# Altium PCB braking_io.PcbDoc (part 1 of 4)
Units mil, origin at the board's own origin, x right, y up, seen from the top; angles counter-clockwise.
Board outline 6000 x 3840 mil, 4 copper layers (Top Layer, GND, PWR, Bottom Layer), stack 61.7 mil thick; 450 components, 207 nets, 1137 pads, 398 vias.
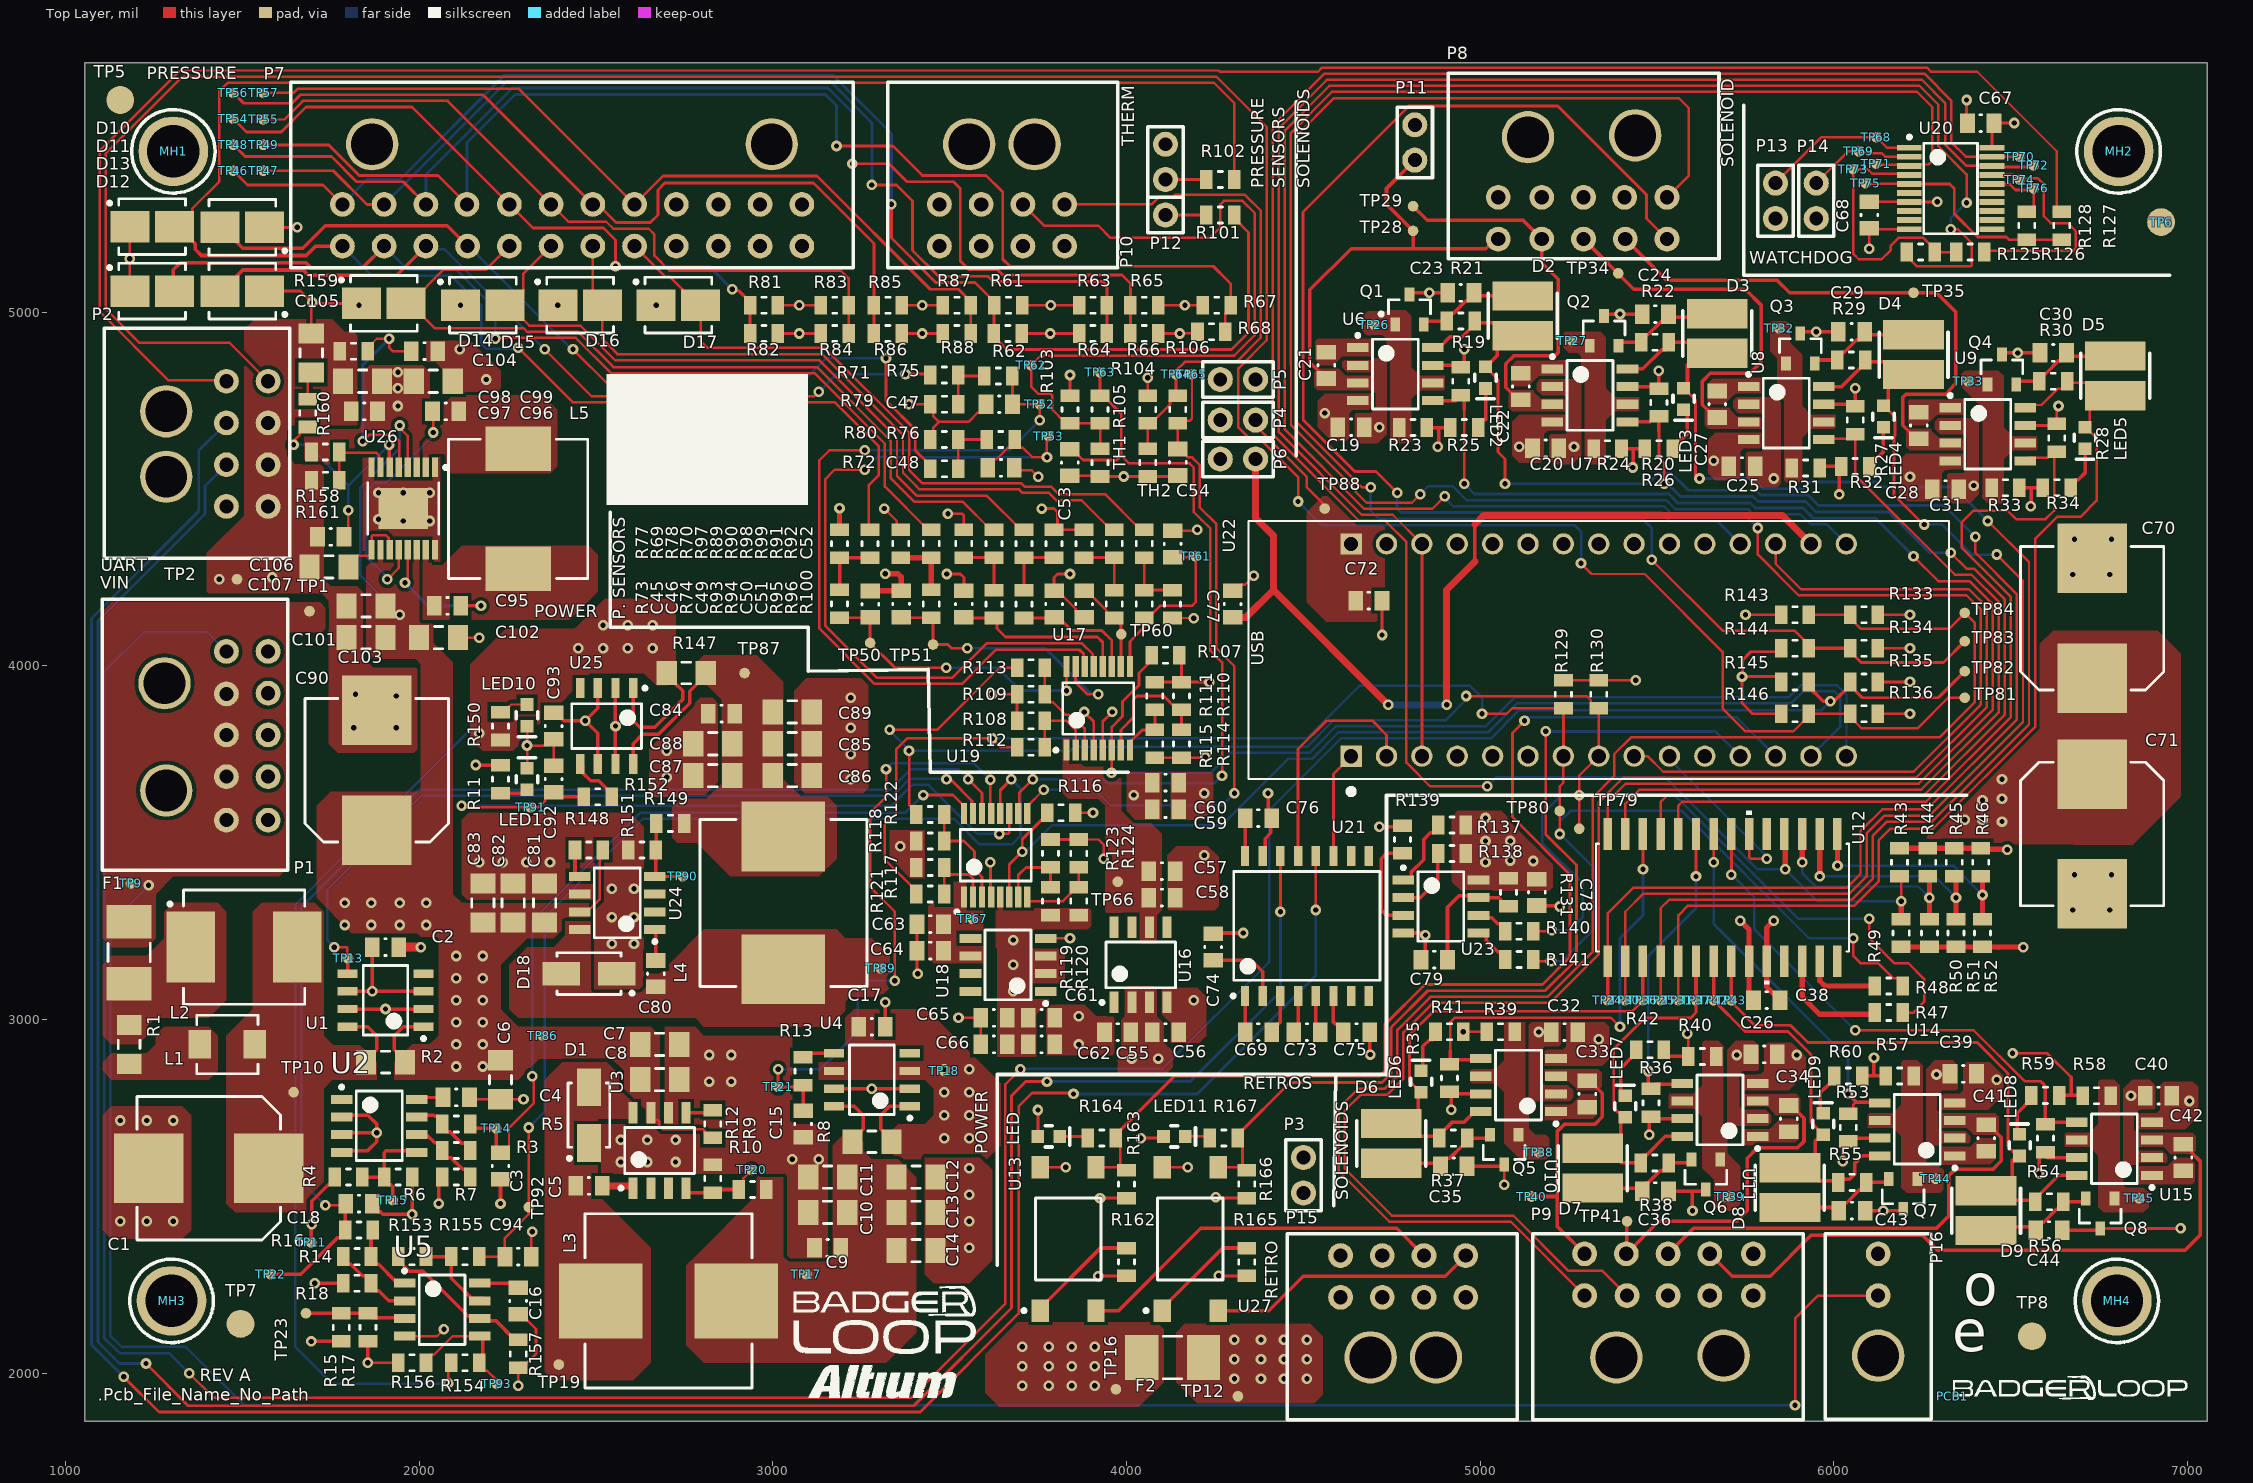
[diagram p0: Top Layer view]
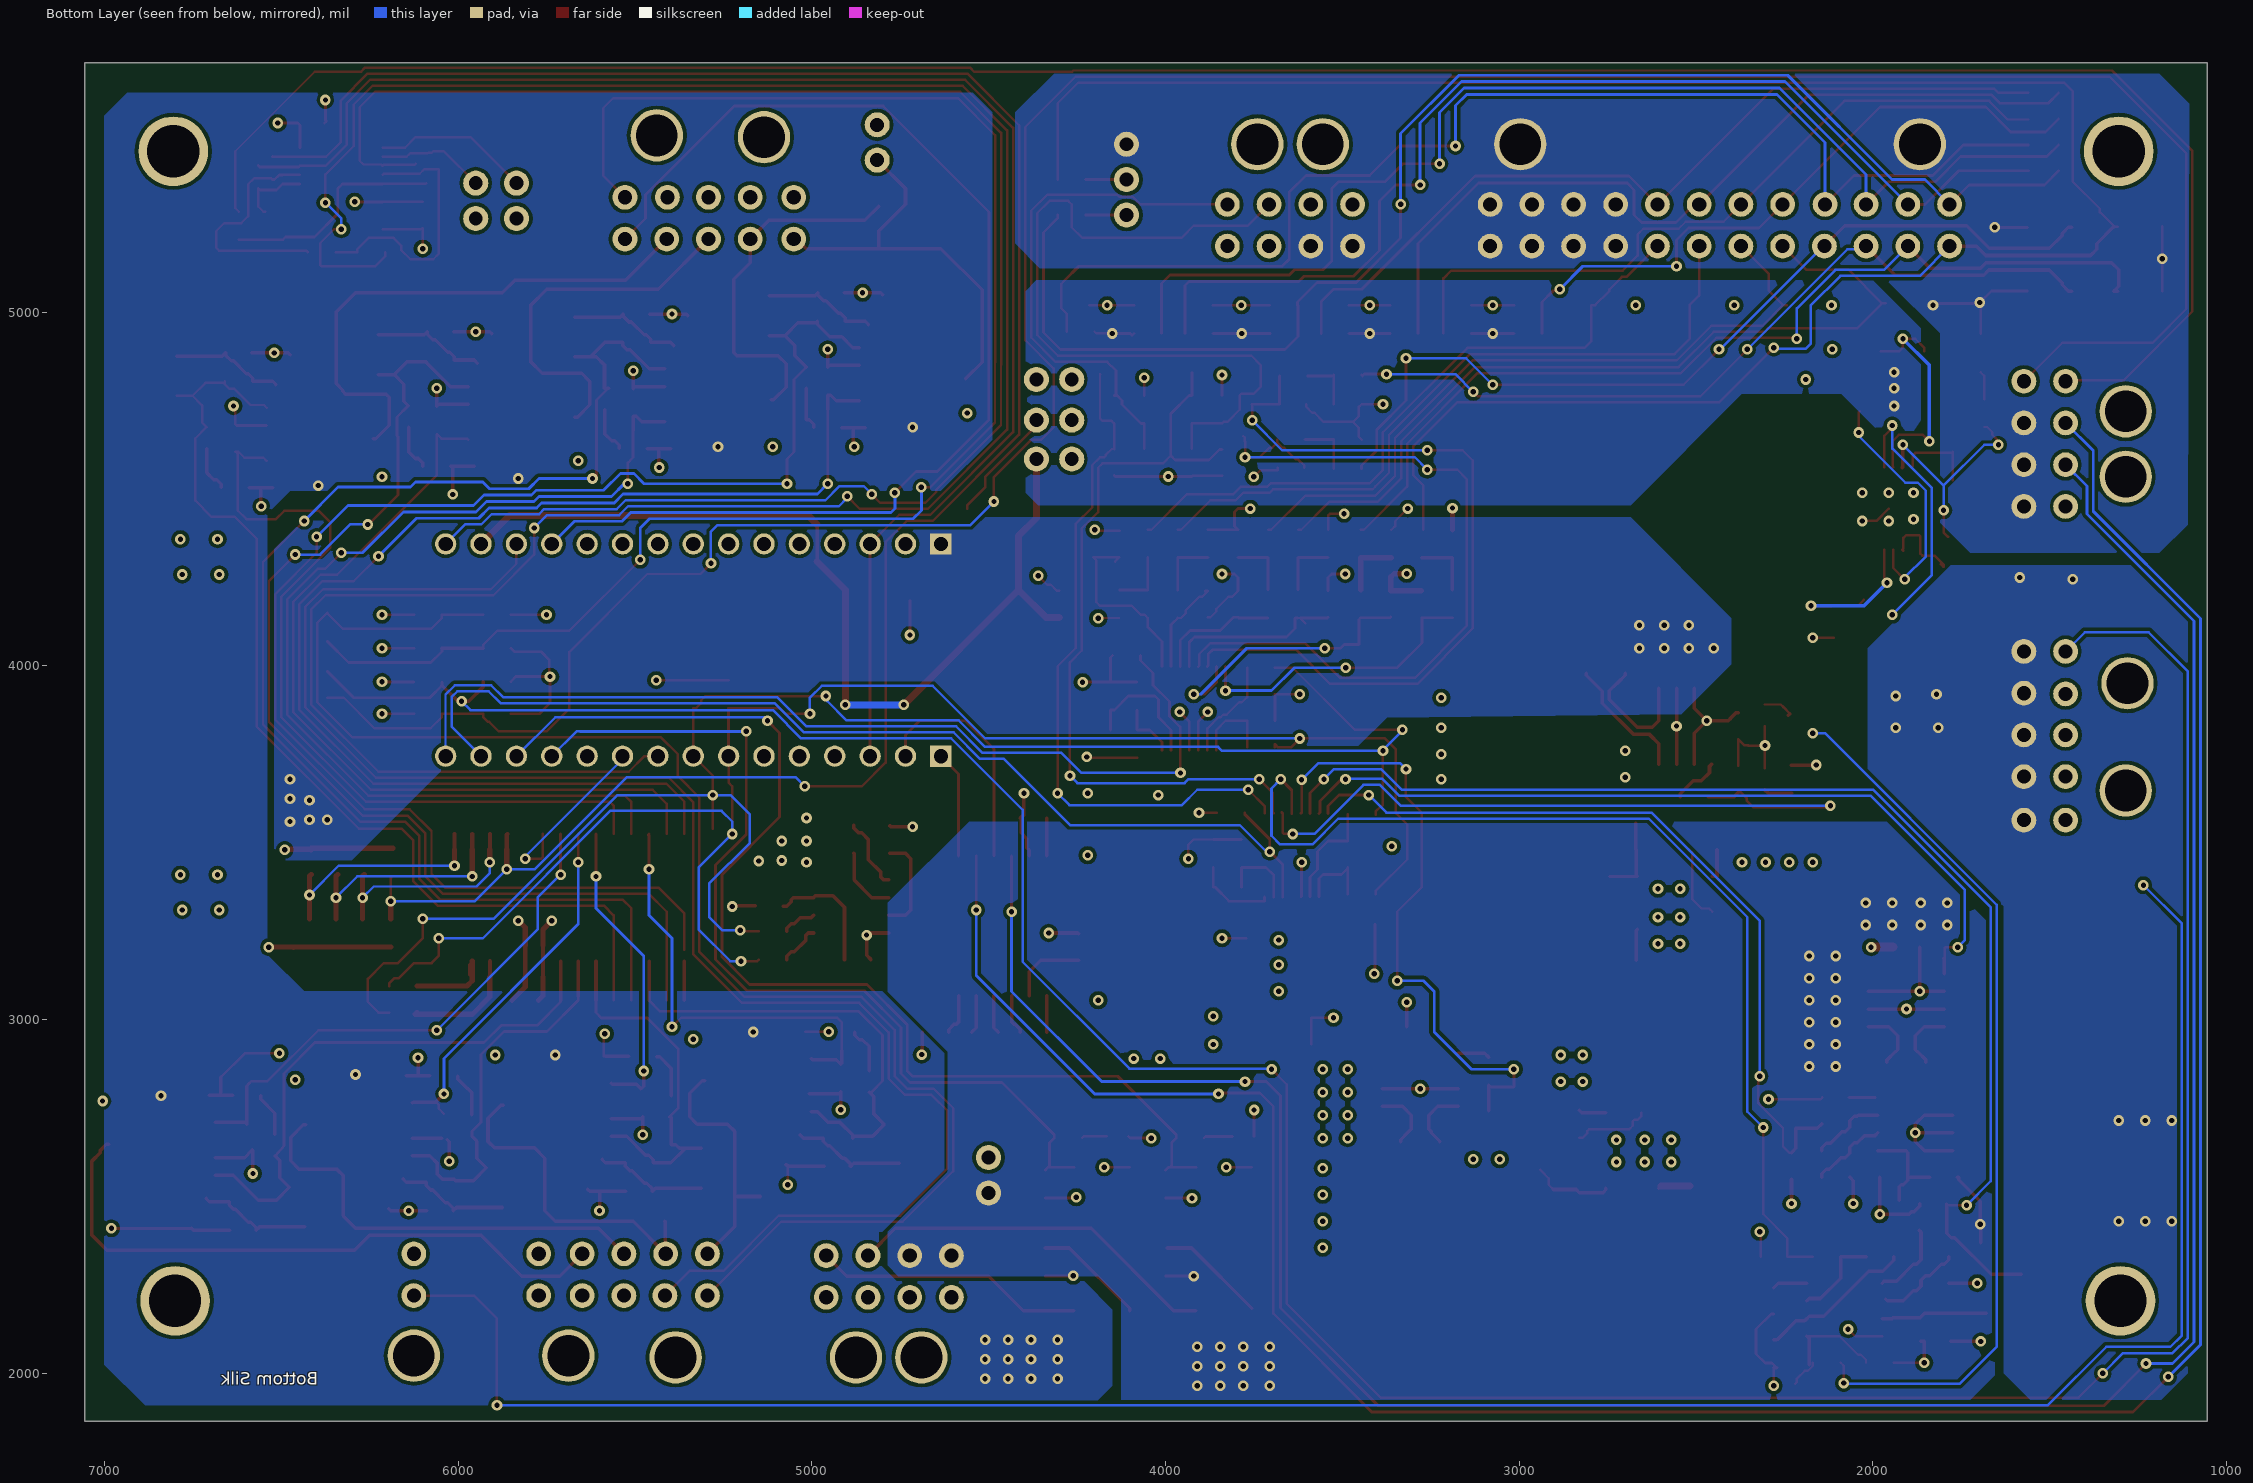
[diagram p1: Bottom Layer view, seen from below]
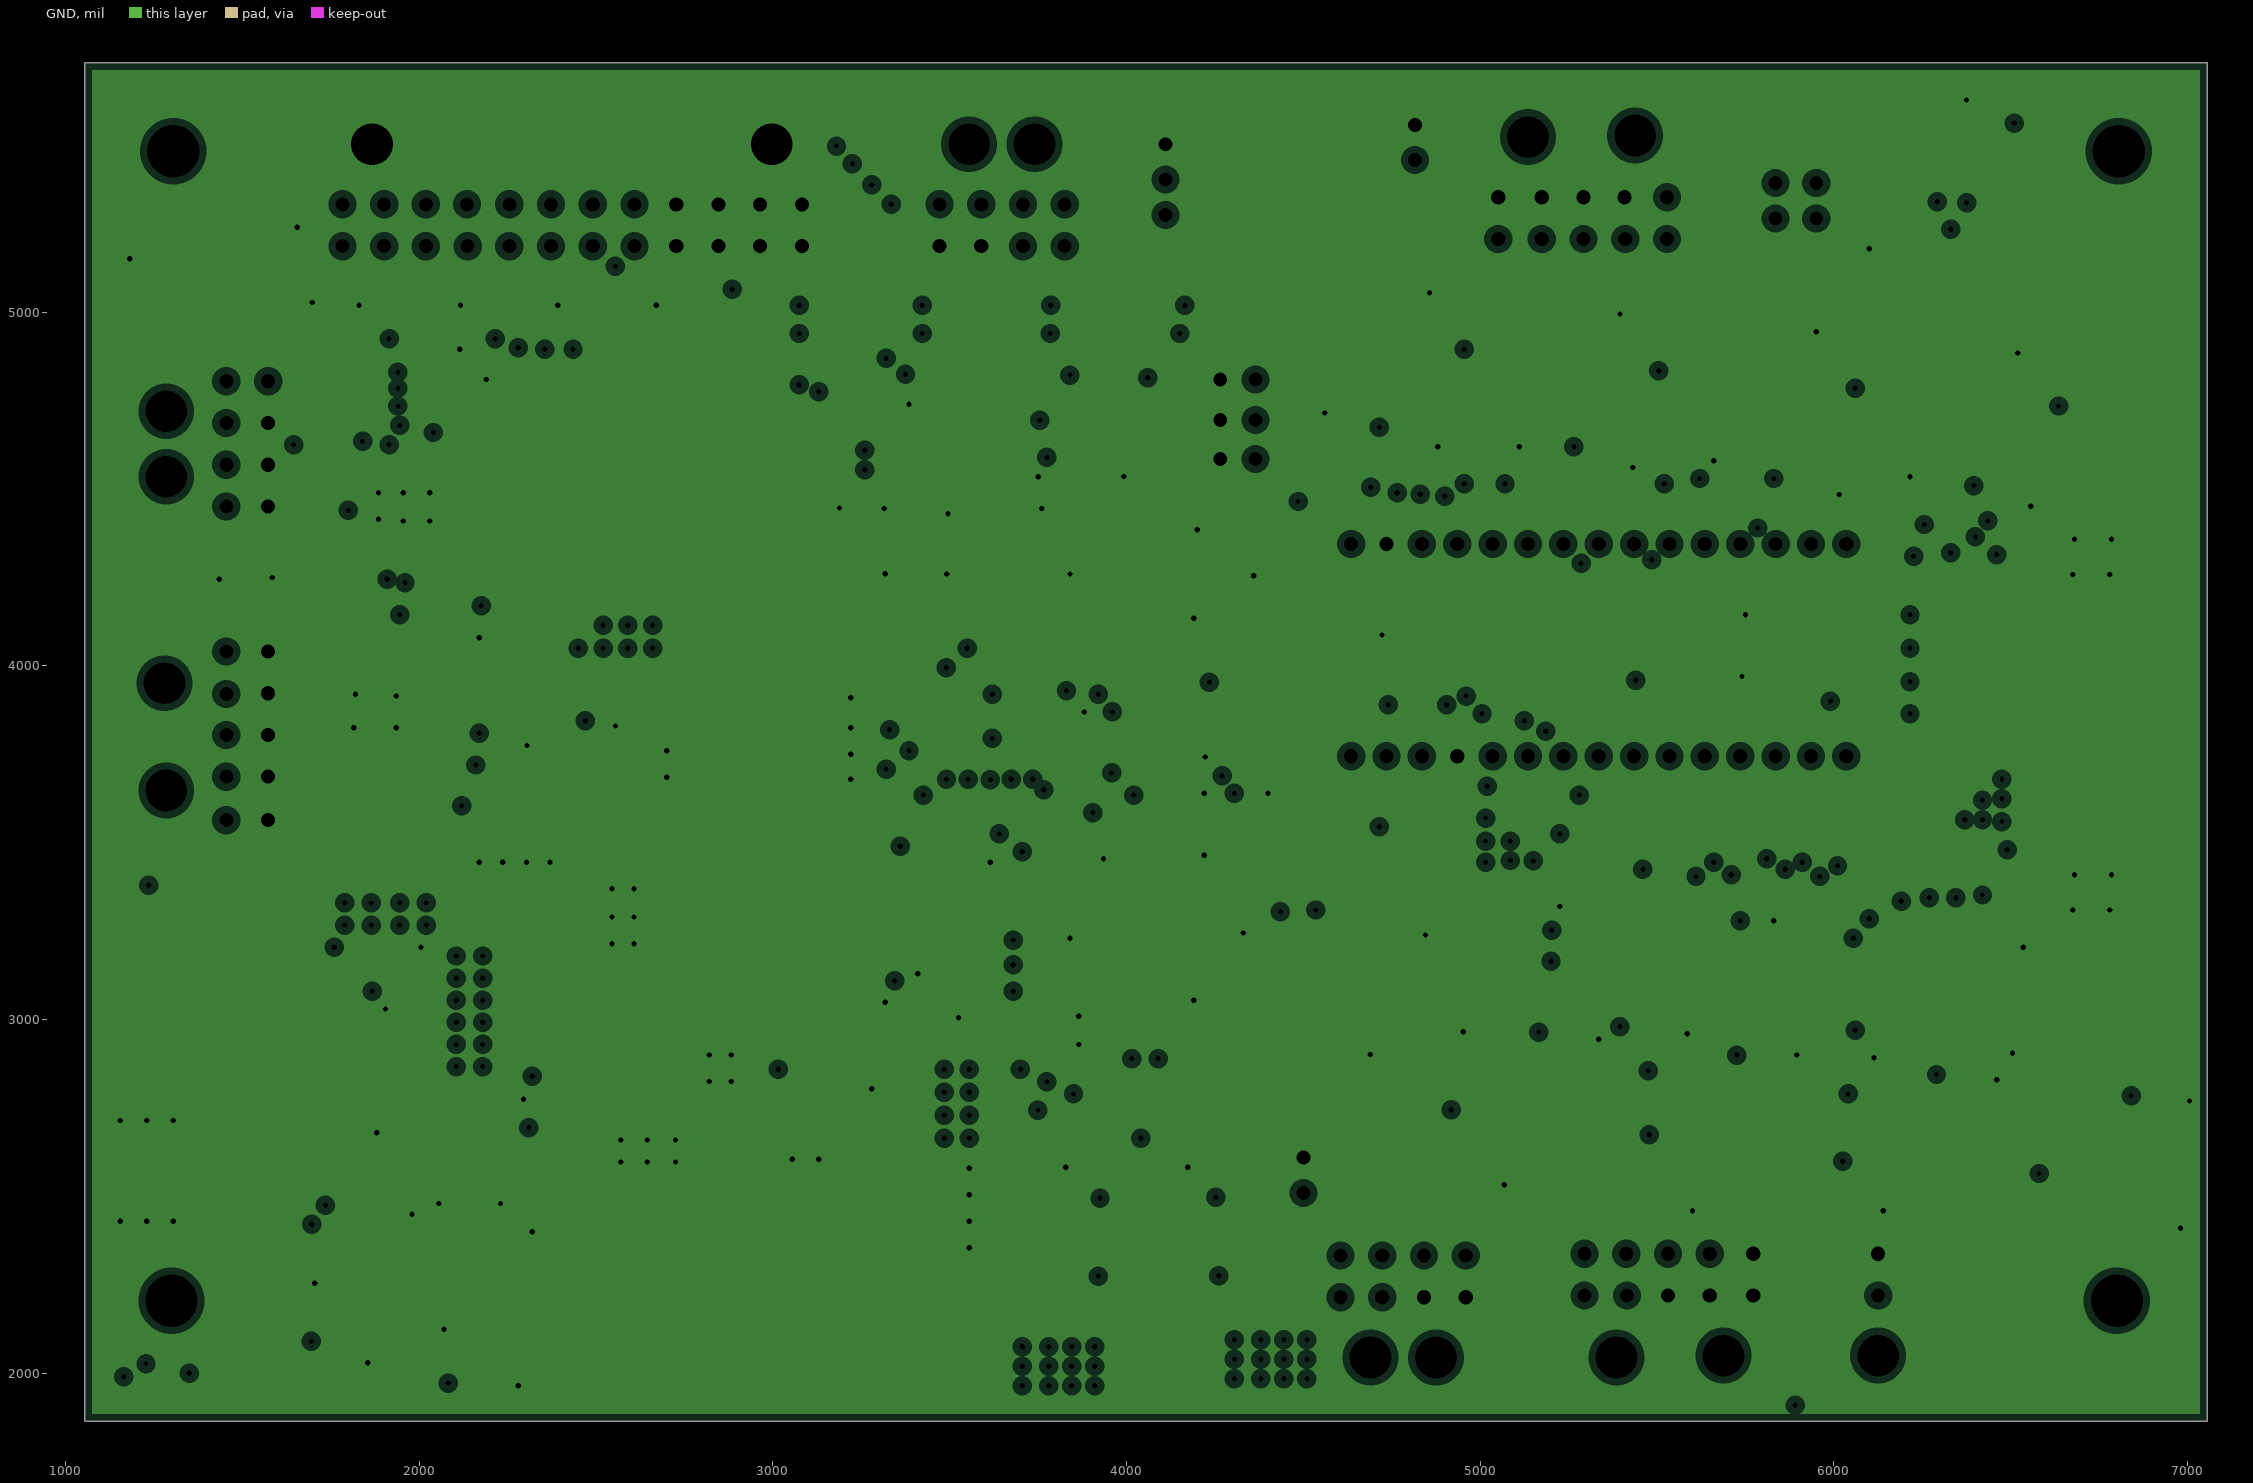
[diagram p2: GND, clearances drawn from the general rule]
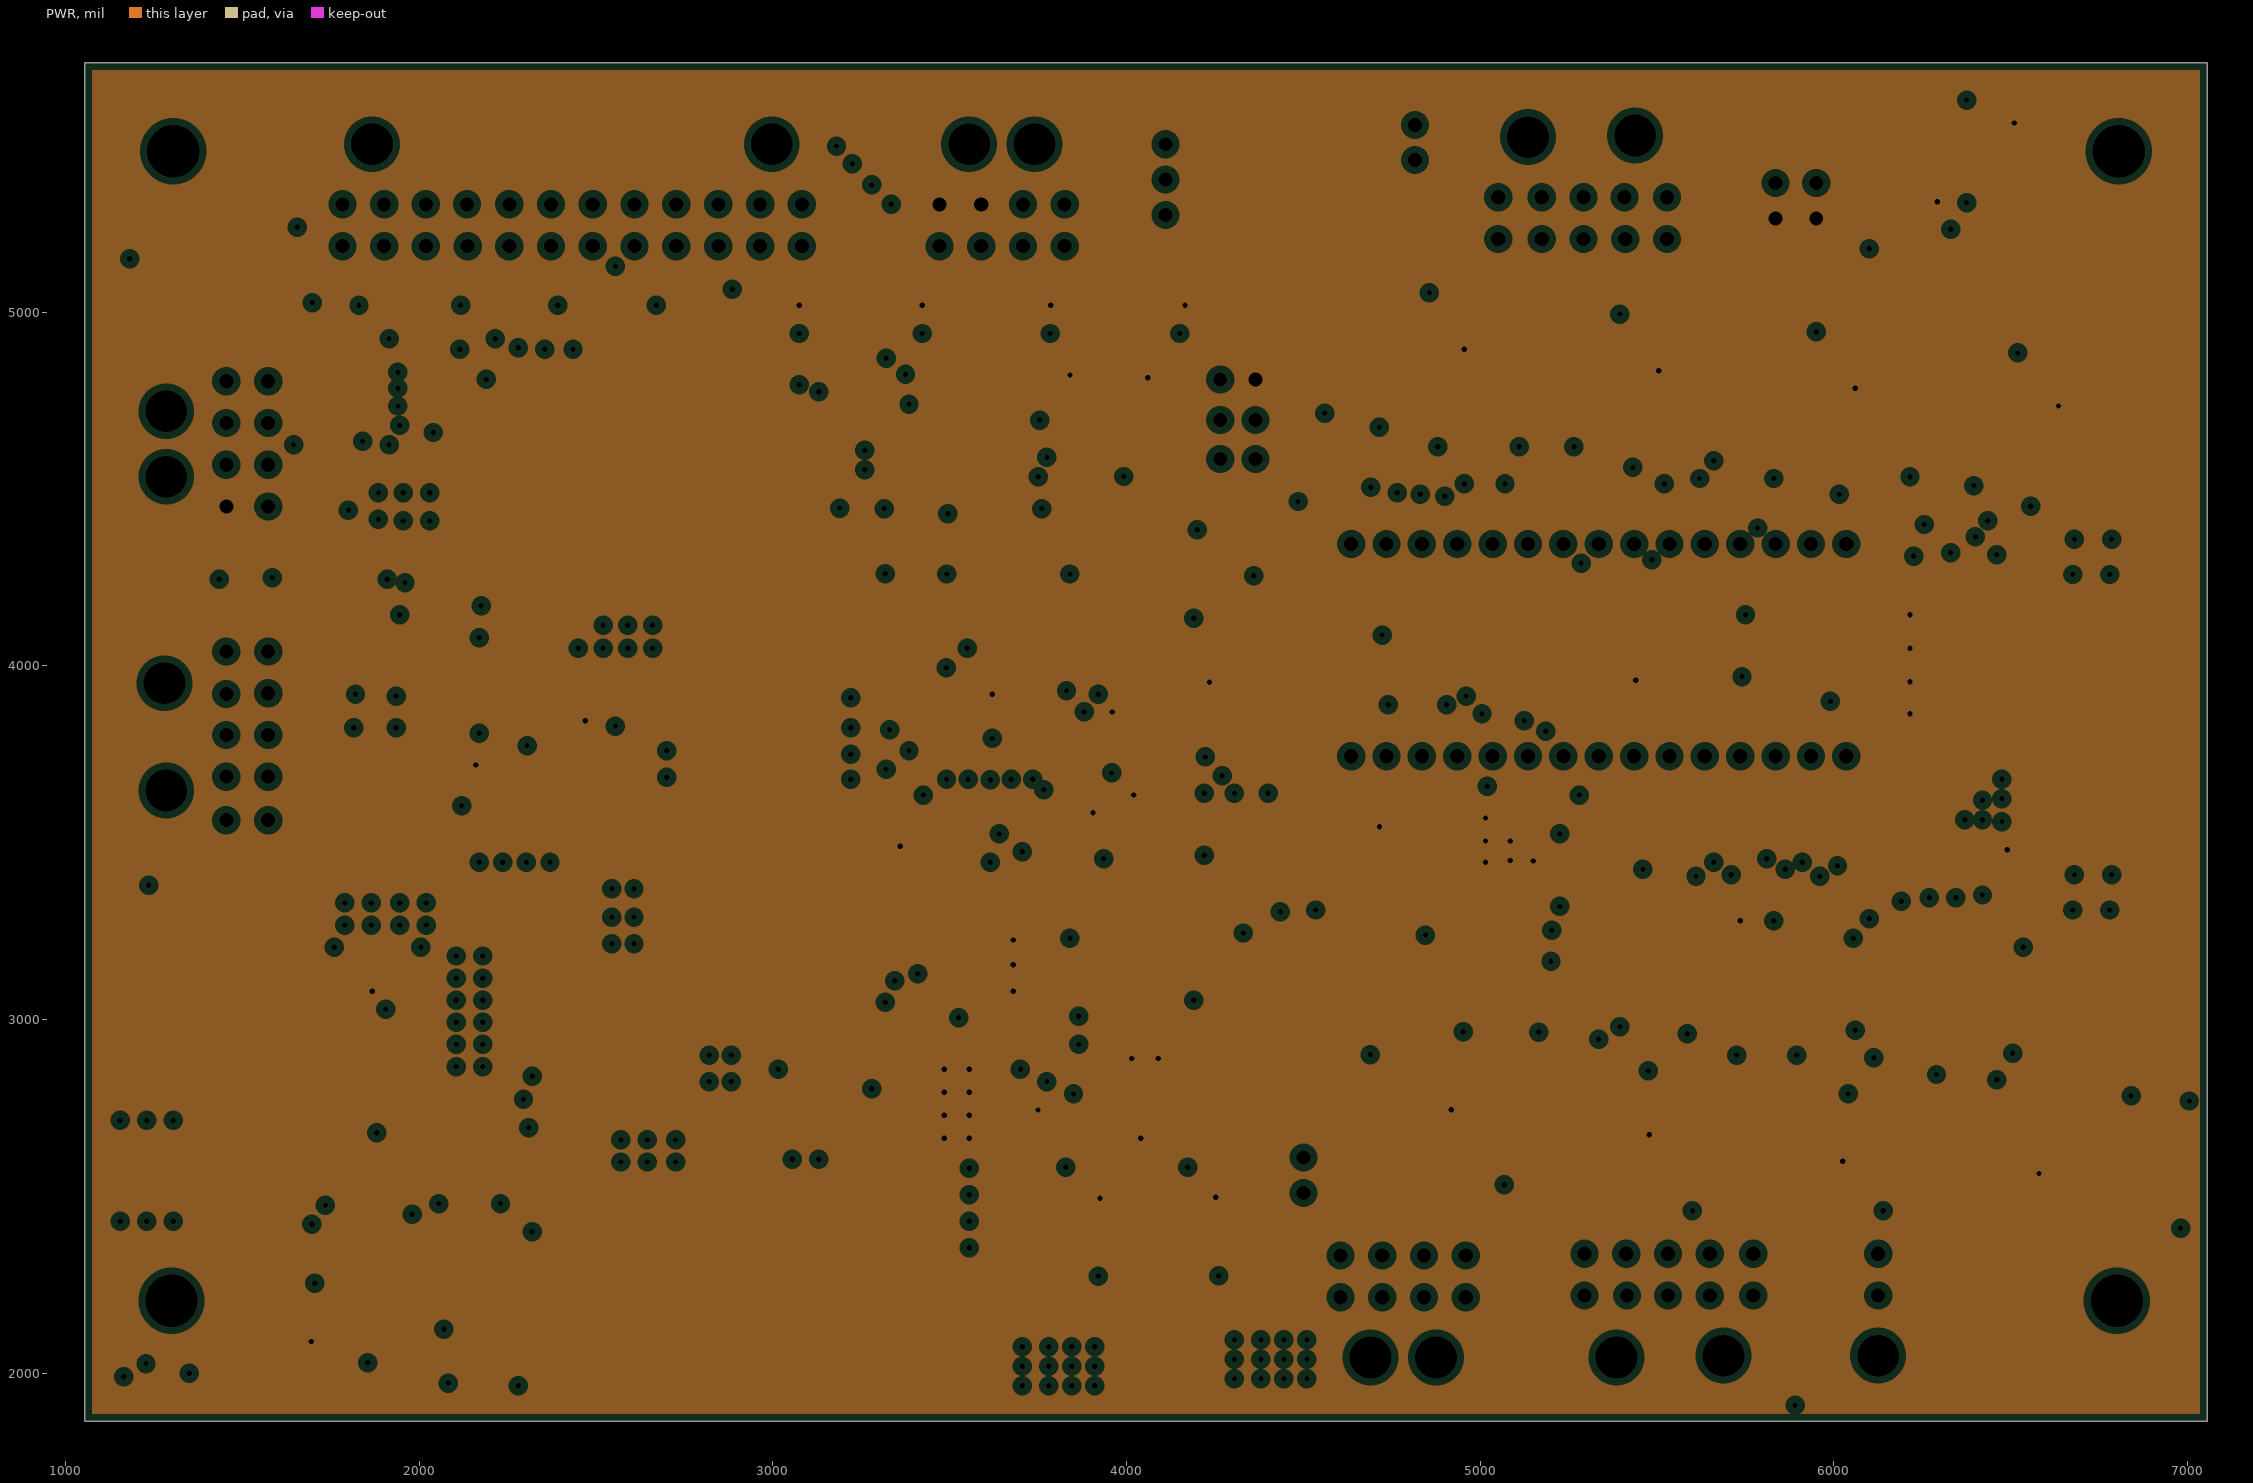
[diagram p3: PWR, clearances drawn from the general rule]
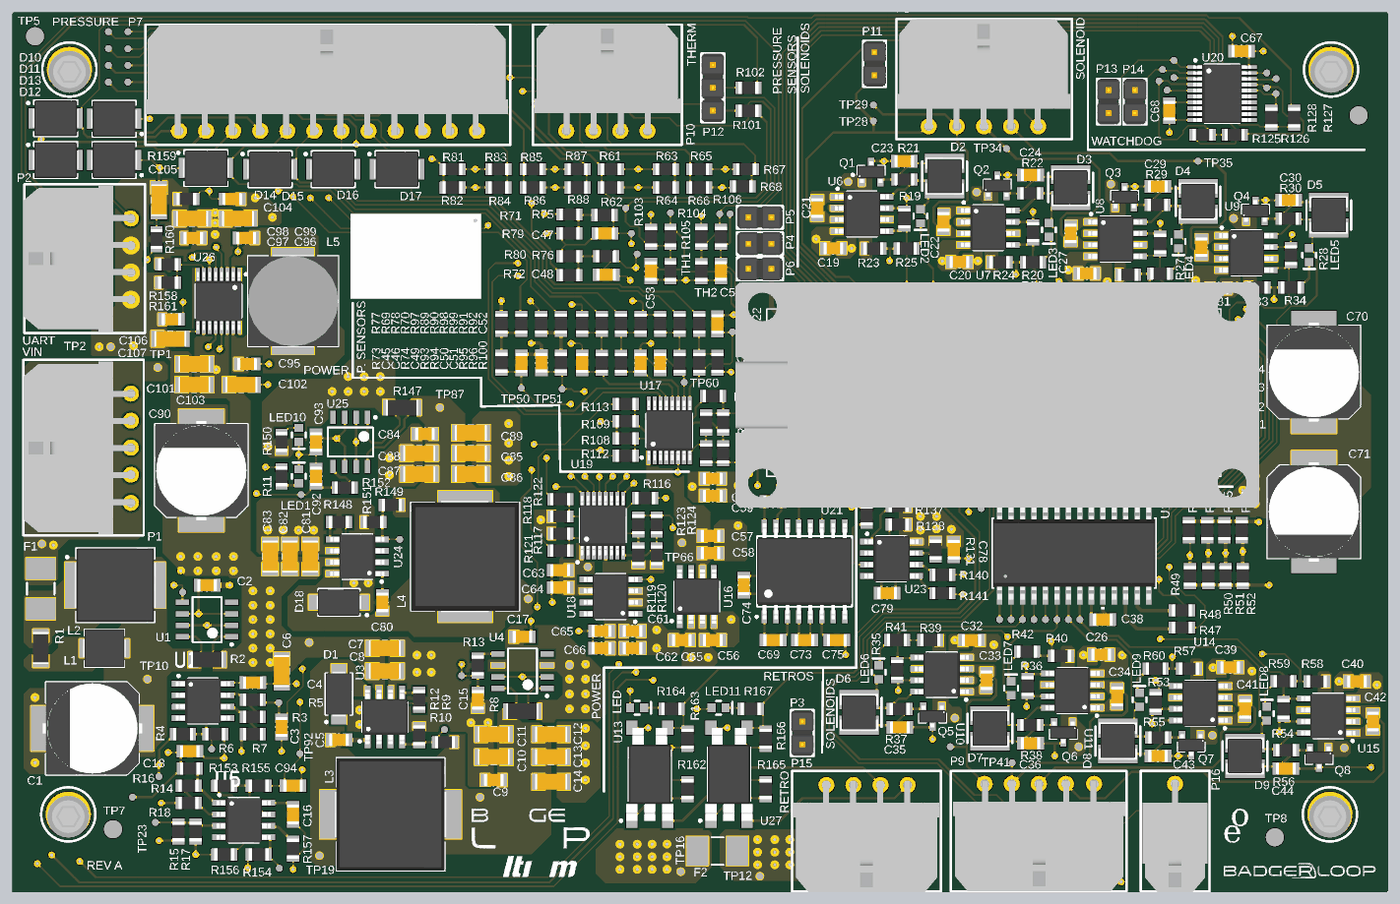
[diagram p7: 3D render of the assembled board from above, using the file's embedded part models]

## Layer stack, top to bottom
Top Solder: solder mask 0.4, Solder Resist, Dk 3.5
Top Layer: signal copper 1.4
Dielectric 2: prepreg 18.7, FR-4, Dk 4.9
GND: plane copper 1.4, net GND
Dielectric 1: dielectric 18.7, FR-4, Dk 4.9
PWR: plane copper 1.4, net V-POS5V
Dielectric 3: prepreg 18.7, FR-4, Dk 4.9
Bottom Layer: signal copper 1.4
Bottom Solder: solder mask 0.4, Solder Resist, Dk 3.5

## Board outline
1055,1865 7055,1865 7055,5705 1055,5705

## Design rules (kind name [scope] priority, off if disabled: settings)
AcuteAngle [All] p1: minimum=6.00000000000000E+0001 checktracksonly=FALSE
BoardOutlineClearance BoardOutlineClearance_1 [OnLayer('Top Overlay')] p1: gap=10 ignorepadtopadclearanceinfootprint=FALSE except(0: Track-OutlineEdge Text-OutlineEdge)
BoardOutlineClearance [All] p2: gap=10 ignorepadtopadclearanceinfootprint=FALSE
Clearance [All] p1: gap=10 ignorepadtopadclearanceinfootprint=TRUE except(0: Arc-Hole Track-Hole SMDPad-Hole THPad-Hole Via-Hole Fill-Hole Poly-Hole Region-Hole Text-Hole)
HoleSize [All] p1: absolutevalues=TRUE maxlimit=300 minlimit=1 maxpercent=80.000 minpercent=20.000
MinimumSolderMaskSliver [All] p1: minsoldermaskwidth=4.5
PlaneClearance [All] p1: clearance=20
PlaneConnect [All] p1: pad.planeconnectstyle=Relief pad.reliefexpansion=20 pad.reliefentries=4 pad.reliefconductorwidth=10 pad.reliefairgap=10 via.planeconnectstyle=Direct via.reliefexpansion=20 via.reliefentries=4 via.reliefconductorwidth=10 via.reliefairgap=10
PolygonConnect [All] p1: connectstyle=Direct reliefconductorwidth=10 reliefentries=4 polygonreliefangle="90 Angle" airgapwidth=10
RoutingTopology [All] p1: topology=Vertical
RoutingVias [All] p1: holewidth=28 width=50 viastyle="Through Hole" minholewidth=28 minwidth=50 maxholewidth=28 maxwidth=50
SilkToSilkClearance [All] p1: silktosilkclearance=1
SilkToSolderMaskClearance [IsPad] p1: minsilkscreentomaskgap=1 clearancetoexposedcopper=TRUE
SolderMaskExpansion [All] p1: expansion=4
Width [All] p1: maxlimit=100 minlimit=7 preferedwidth=8 minimp=50.000000 maximp=50.000000 favimp=50.000000
23 further rules are at their usual default settings.

## Classes and differential pairs
component class retro: LED LED11 R162 R163 R164 R165 R166 R167 U13 U27
component class watchdog: C67 C68 P13 P14 R125 R126 R127 R128 TP68 TP69 TP70 TP71 TP72 TP73 TP74 TP75 TP76 U20
component class telemetry_adc: C55 C56 C57 C58 C59 C60 C61 C62 C63 C64 C65 C66 R107 R108 R109 R110 R111 R112 R113 R114 R115 R116 R117 R118 R119 R120 R121 R122 R123 R124 TP66 TP67 U16 U17 U18 U19
component class solenoid: C19 C20 C21 C22 C23 C24 C25 C26 C27 C28 C29 C30 C31 C32 C33 C34 C35 C36 D2 D3 D4 D5 D6 D7 LED2 LED3 LED4 LED5 LED6 LED7 P11 Q1 Q2 Q3 Q4 Q5 Q6 R19 R20 R21 R22 R23 R24 R25 R26 R27 R28 R29 R30 R31 R32 R33 R34 R35 R36 R37 R38 R39 R40 R41 R42 TP24 TP25 TP26 TP27 TP28 TP29 TP30 TP31 TP32 TP33 TP34 TP35 TP36 TP37 TP38 TP39 TP40 TP41 U6 U7 U8 U9 U10 U11
component class solenoid_drv: C38 C39 C40 C41 C42 C43 C44 D8 D9 LED8 LED9 Q7 Q8 R43 R44 R45 R46 R47 R48 R49 R50 R51 R52 R53 R54 R55 R56 R57 R58 R59 R60 TP42 TP43 TP44 TP45 U12 U14 U15
component class pressure: C45 C46 C47 C48 C49 C50 C51 C52 C53 C54 D10 D11 D12 D13 D14 D15 D16 D17 P12 R61 R62 R63 R64 R65 R66 R67 R68 R69 R70 R71 R72 R73 R74 R75 R76 R77 R78 R79 R80 R81 R82 R83 R84 R85 R86 R87 R88 R89 R90 R91 R92 R93 R94 R95 R96 R97 R98 R99 R100 R101 R102 R103 R104 R105 R106 TH1 TH2 TP46 TP47 TP48 TP49 TP50 TP51 TP52 TP53 TP54 TP55 TP56 TP57 TP60 TP61 TP62 TP63 TP64 TP65
component class power_24V: C95 C96 C97 C98 C99 C101 C102 C103 C104 C105 C106 C107 L5 R158 R159 R160 R161 U26
component class power_7V: C80 C81 C82 C83 C84 C85 C86 C87 C88 C89 C90 C92 C93 C94 D18 L4 LED10 R147 R148 R149 R150 R151 R152 R153 R154 R155 R156 R157 TP86 TP87 TP88 TP89 TP90 TP91 TP92 TP93 U24 U25
component class power_5V: C5 C6 C7 C8 C9 C10 C11 C12 C13 C14 C15 C16 C17 C18 D1 L3 LED1 R8 R9 R10 R11 R12 R13 R14 R15 R16 R17 R18 TP16 TP17 TP18 TP19 TP20 TP21 TP22 TP23 U3 U4
component class mcu: C69 C70 C71 C72 C73 C74 C75 C76 C77 C78 C79 R129 R130 R131 R133 R134 R135 R136 R137 R138 R139 R140 R141 R143 R144 R145 R146 TP79 TP80 TP81 TP82 TP83 TP84 U21 U22 U23
component class connectors: MH1 MH2 MH3 MH4 P1 P2 P3 P4 P5 P6 P7 P8 P9 P10 P15 P16 TP1 TP2 TP5 TP6 TP7 TP8
component class bus_filter: C1 C2 C3 C4 F1 F2 L1 L2 R1 R2 R3 R4 R5 R6 R7 TP9 TP10 TP11 TP12 TP13 TP14 TP15 U1
